# Allegro board ZDRK-36-DE3-A02-20190729.brd (continued)
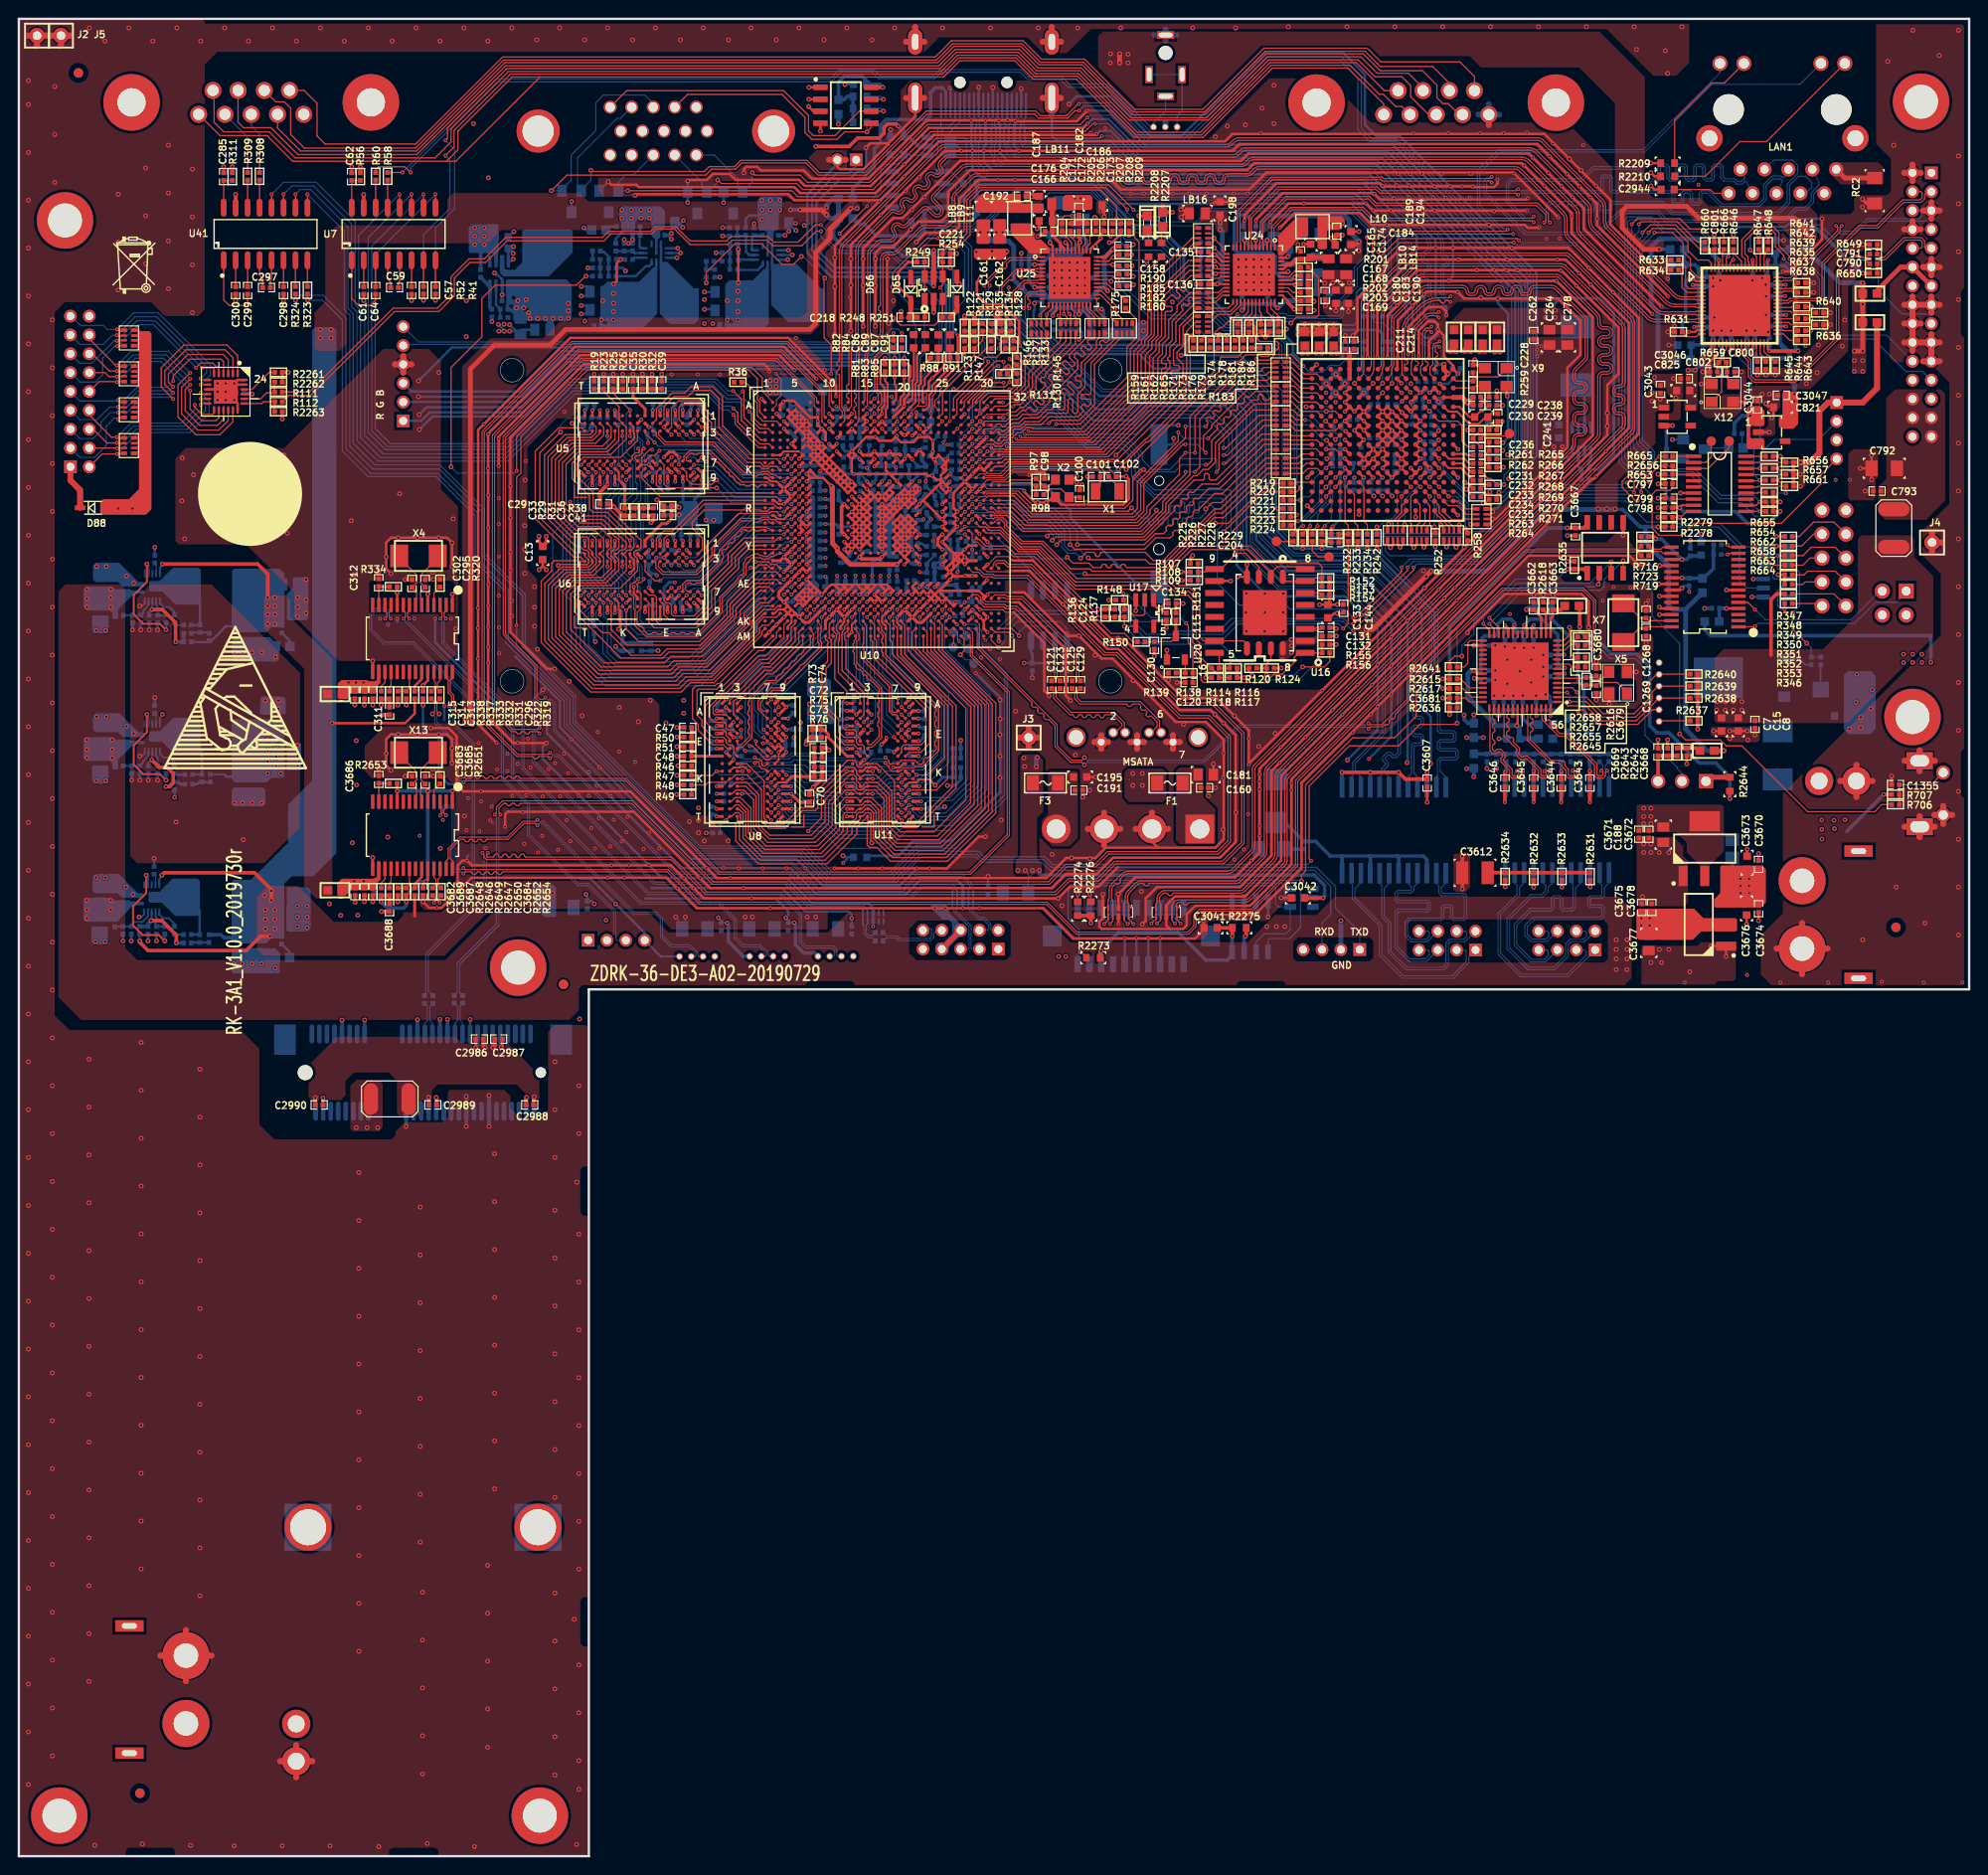
[diagram p0: board, top side]
## Copper pours and planes (outline as drawn; the poured copper is in the pictures) (continued)
+2.5V on L3-SIG: 171.45,98.53 170.56,99.42 170.56,115.67 169.54,116.69 156.08,116.69 155.32,115.93 155.32,114.66 155.19,114.53 153.92,114.53 153.54,114.91 153.54,119.99 153.67,120.12 171.2,120.12 172.97,118.34 174.88,118.34 175.64,117.58 175.64,99.8 174.37,98.53
+3.3V on TOP (solid shape): 185.42,104.75 185.42,101.19 184.91,100.69 180.09,100.69 179.96,100.81 179.96,101.57 180.59,102.21 180.59,105 180.72,105.13 185.04,105.13
+3.3V on BOTTOM: 183.9,106.53 184.91,105.51 184.91,102.34 184.15,101.57 178.69,101.57 177.55,102.72 177.55,110.34 180.47,113.26 181.99,113.26 182.12,113.13 182.12,111.99 181.99,111.86 180.85,111.86 180.34,111.35 180.34,106.65 180.47,106.53
AVDD33_SATA01 on BOTTOM (solid shape): 98.32,137.97 98.32,136.63 98.22,136.53 97.64,136.53 97.51,136.65 96.93,136.65 96.9,136.66 96.88,136.67 96.88,136.91 97.64,136.91 97.64,137.16 97.26,137.16 97.26,136.91 96.88,136.91 96.88,137.29 97,137.41 97.51,137.41 97.66,137.57 97.66,137.9 97.87,138.1 98.2,138.1
DVDD_CORE on BOTTOM (solid shape): 79.59,164.53 79.59,162.62 78.99,162.03 75.18,162.03 74.97,162.24 74.97,162.66 75.82,162.66 75.82,163.04 75.31,163.04 75.31,162.66 74.97,162.66 74.97,166.79 75.43,167.25 77.91,167.25 79.1,168.44 79.29,168.44 79.29,168.63 79.31,168.65 79.59,168.65
DVDD_CORE on BOTTOM (solid shape): 94.57,145.67 94.62,145.64 94.66,145.61 94.71,145.59 94.76,145.58 94.81,145.57 94.86,145.58 94.91,145.59 94.96,145.61 95.01,145.64 95.06,145.67 95.38,145.67 95.4,145.65 95.44,145.63 95.48,145.6 95.51,145.59 95.83,145.27 95.83,144.64 95.33,144.14 95.33,143.8 95.2,143.66 95.2,143.41 95.15,143.36 93.85,143.36 93.75,143.26 93.67,143.26 93.67,143.18 92.94,142.44 92.94,140.59 92.61,140.26 92.61,138.76 92.63,138.74 92.63,138.53 92.69,138.52 92.7,138.51 92.71,138.48 92.71,137.79 92.66,137.74 92.25,137.74 91.77,138.23 90.81,138.23 90.7,138.33 90.7,138.43 91.41,138.43 91.41,138.68 92.18,138.68 92.18,138.94 91.8,138.94 91.8,138.68 91.03,138.68 91.03,138.43 90.7,138.43 90.7,139.19 91.41,139.19 91.41,139.45 92.18,139.45 92.18,139.7 91.8,139.7 91.8,139.45 91.03,139.45 91.03,139.19 90.7,139.19 90.7,139.95 92.18,139.95 92.18,140.21 91.8,140.21 91.8,139.95 90.7,139.95 90.7,140.08 91.41,140.08 91.41,140.33 91.03,140.33 91.03,140.08 90.7,140.08 90.7,140.97 91.41,140.97 91.41,141.22 91.03,141.22 91.03,140.97 90.7,140.97 90.7,141.86 91.41,141.86 91.41,142.11 91.03,142.11 91.03,141.86 90.7,141.86 90.7,142.75 91.41,142.75 91.41,143 91.03,143 91.03,142.75 90.7,142.75 90.7,143.38 91.41,143.38 91.41,143.64 91.03,143.64 91.03,143.38 90.7,143.38 90.7,144.02 90.71,144.05 90.73,144.06 90.75,144.07 91.21,144.07 91.49,143.79 91.82,143.79 91.85,143.78 91.86,143.77 91.87,143.67 92.99,143.67 92.99,143.76 94.84,143.76 94.84,144.14 94.59,144.14 94.59,143.76 93.95,143.76 93.95,144.14 93.7,144.14 93.7,143.76 92.99,143.76 92.99,144.37 93.27,144.65 93.52,144.65 93.75,144.88 93.81,144.87 93.82,144.86 93.83,144.78 94.59,144.78 94.59,145.16 94.34,145.16 94.34,144.78 94.08,144.78 94.08,145.16 93.85,145.17 93.84,145.18 93.83,145.44 94.06,145.67
DVDD_CORE on L3-SIG: 80.9,158.34 81.38,157.86 81.38,150.75 84.81,147.32 84.81,139.32 85.89,138.24 96.3,138.24 97.26,139.19 97.26,140.97 95.22,143 95.22,148.59 92.94,150.88 92.94,155.83 87.99,160.78 87.99,164.34 84.58,167.74 74.93,167.74 74.68,167.49 74.68,160.78 77.11,158.34
DVDD_CPU on BOTTOM (solid shape): 67.76,163.69 65.83,161.77 61.72,161.77 61.59,161.9 61.59,162.53 62.48,162.53 62.48,162.92 61.98,162.92 61.98,162.53 61.59,162.53 61.59,163.32 61.72,163.45 61.72,166.37 62.45,167.1 65.85,167.1 67.4,168.64 67.48,168.64 67.48,168.73 67.53,168.77 67.76,168.77
DVDD_CPU on BOTTOM (solid shape): 84.3,156.41 84.3,151.56 84.86,151 84.86,150.24 85.01,150.09 85.29,150.09 85.45,149.94 85.45,148.82 85.52,148.74 85.52,148.21 85.47,148.16 83.45,148.16 83.15,148.46 85.19,148.46 85.19,148.84 84.94,148.84 84.94,148.46 84.3,148.46 84.3,148.84 84.05,148.84 84.05,148.46 83.79,148.46 83.79,148.84 83.54,148.84 83.54,148.46 83.15,148.46 83.02,148.59 83.02,148.97 85.06,148.97 85.06,149.22 84.68,149.22 84.68,148.97 83.02,148.97 83.02,149.48 85.06,149.48 85.06,149.73 84.68,149.73 84.68,149.48 83.02,149.48 83.02,150.11 84.56,150.11 84.56,150.37 84.18,150.37 84.18,150.11 83.02,150.11 83.02,150.62 84.56,150.62 84.56,150.88 84.18,150.88 84.18,150.62 83.02,150.62 83.02,150.74 82.75,151 83.41,151 83.41,151.26 83.16,151.26 83.16,151 82.75,151 82.37,151.38 83.16,151.38 83.16,151.64 82.91,151.64 82.91,151.38 82.37,151.38 82.12,151.64 82.78,151.64 82.78,151.76 83.82,151.76 83.82,152.02 83.46,152.02 83.46,151.76 82.78,151.76 82.78,151.89 82.52,151.89 82.52,151.64 82.12,151.64 81.74,152.02 82.52,152.02 82.52,152.27 82.27,152.27 82.27,152.02 81.74,152.02 81.66,152.1 81.66,152.53 82.4,152.53 82.4,152.78 82.02,152.78 82.02,152.53 81.66,152.53 81.66,152.96 83.82,152.96 83.82,153.24 83.46,153.24 83.46,152.96 81.66,152.96 81.66,153.03 82.4,153.03 82.4,153.29 82.02,153.29 82.02,153.03 81.66,153.03 81.66,153.54 82.4,153.54 82.4,153.64 83.82,153.64 83.82,153.87 83.46,153.87 83.46,153.64 82.4,153.64 82.4,153.8 82.02,153.8 82.02,153.54 81.66,153.54 81.66,154.05 82.4,154.05 82.4,154.31 82.02,154.31 82.02,154.05 81.66,154.05 81.66,154.43 81.13,154.97 79.58,154.97 79.22,155.32 79.22,156.59 79.6,156.97 83.74,156.97
DVDD_CPU on L3-SIG: 71.44,158.28 77.47,152.25 79.25,152.25 80.87,153.87 80.87,157.61 80.37,158.12 76.68,158.12 67.18,167.61 61.34,167.61 60.96,167.23 60.96,161.67 64.35,158.28
GND on TOP (solid shape): 105.11,170.43 105.11,170.18 104.34,169.42 101.68,169.42 101.37,169.72 101.37,170.43 101.52,170.59 104.95,170.59
GND on TOP (solid shape): 108.71,176.48 108.71,175.95 108.64,175.87 106.76,175.87 106.65,175.97 106.65,176.45 106.71,176.5 108.69,176.5
GND on BOTTOM (solid shape): 9.46,98.53 9.46,96.88 9.33,96.75 7.93,96.75 7.68,97 7.68,98.53 7.81,98.65 9.33,98.65
GND on BOTTOM (solid shape): 9.52,131.55 9.52,129.9 9.4,129.77 8,129.77 7.75,130.02 7.75,131.55 7.87,131.67 9.4,131.67
GND on BOTTOM (solid shape): 9.52,115.6 9.52,113.94 9.4,113.82 8,113.82 7.75,114.07 7.75,115.6 7.87,115.72 9.4,115.72
GND on BOTTOM (solid shape): 26.16,113.18 26.16,111.66 25.91,111.4 22.86,111.4 22.61,111.66 22.61,113.18 22.86,113.44 25.91,113.44
GND on BOTTOM (solid shape): 28.32,122.83 28.32,121.31 28.19,121.18 25.78,121.18 25.65,121.31 25.65,122.96 25.78,123.09 28.07,123.09
GND on BOTTOM (solid shape): 29.97,118.01 29.97,115.34 29.85,115.21 28.58,115.21 28.45,115.34 28.45,118.01 28.58,118.14 29.85,118.14
GND on BOTTOM (solid shape): 74.71,143.57 74.71,141.66 74.46,141.41 73.06,141.41 72.81,141.66 72.81,143.57 72.94,143.69 74.59,143.69
GND on BOTTOM (solid shape): 86.21,124.71 86.21,123.19 85.95,122.94 83.96,122.94 83.67,123.23 83.67,124.69 83.95,124.97 85.95,124.97
GND on BOTTOM (solid shape): 197.08,125.3 197.08,119.66 196.49,119.08 194.18,119.08 193.73,119.53 193.73,125.37 194.11,125.76 196.62,125.76
GND on BOTTOM (solid shape): 27.69,95.86 27.69,93.83 27.56,93.7 22.73,93.7 22.57,93.86 22.57,96.11 22.83,96.37 27.18,96.37
GND on BOTTOM (solid shape): 30.73,135.61 30.73,131.42 30.48,131.17 28.58,131.17 28.45,131.29 28.45,133.96 29.08,134.59 29.08,135.61 29.21,135.74 30.61,135.74
GND on BOTTOM (solid shape): 30.99,102.46 30.99,98.4 30.73,98.15 28.54,98.15 28.41,98.27 28.41,100.94 28.43,100.96 28.43,102.7 28.58,102.84 30.61,102.84
GND on BOTTOM (solid shape): 12.63,102.21 13.14,102.21 13.27,102.08 13.27,101.7 10.98,101.7 10.47,102.21 8.06,102.21 7.81,102.46 7.81,103.99 8.06,104.24 10.6,104.24
GND on BOTTOM (solid shape): 12.7,135.23 13.21,135.23 13.34,135.1 13.34,134.72 11.05,134.72 10.54,135.23 8.13,135.23 7.87,135.48 7.87,137.01 8.13,137.26 10.67,137.26
GND on BOTTOM (solid shape): 12.7,119.28 13.21,119.28 13.34,119.15 13.34,118.77 11.05,118.77 10.54,119.28 8.13,119.28 7.87,119.53 7.87,121.06 8.13,121.31 10.67,121.31
GND on BOTTOM (solid shape): 25.93,129.36 26.67,129.36 27.1,128.93 27.46,128.93 27.61,128.78 27.61,127 27.41,126.8 22.81,126.8 22.61,127 22.61,129.13 22.86,129.39 25.91,129.39
GND on BOTTOM (solid shape): 98.76,100.61 98.76,100.1 100.51,98.35 100.51,98.04 100.03,97.56 99.82,97.56 98.7,96.44 98.7,96.01 98.32,95.63 97.61,95.63 97.31,95.94 97.31,96.72 97.56,96.98 98.15,96.98 99.09,97.92 99.09,99.01 98.7,99.39 98.02,99.39 96.8,100.61 96.8,100.99 96.9,101.09 98.27,101.09
GND on BOTTOM (solid shape): 94.84,142.11 94.84,140.59 95.02,140.41 95.02,139.98 94.92,139.88 94.92,138.91 95.02,138.81 95.02,138.56 94.92,138.46 93.27,138.46 92.91,138.81 92.91,138.94 94.46,138.94 94.46,139.19 94.08,139.19 94.08,138.94 93.45,138.94 93.45,139.19 93.07,139.19 93.07,138.94 92.91,138.94 92.91,139.45 94.46,139.45 94.46,139.7 94.08,139.7 94.08,139.45 93.45,139.45 93.45,139.7 93.07,139.7 93.07,139.45 92.91,139.45 92.91,140.08 93.45,140.61 93.45,142.11 93.7,142.37 94.59,142.37
GND on TOP: 116.71,97.26 116.54,97.43 116.54,106.91 116.99,107.37 116.99,113.36 116.56,113.79 116.56,117.5 122.86,123.8 138.28,123.8 153.67,139.19 154,139.19 154.53,139.73 154.53,140.23 155.19,140.89 155.63,140.89 156.18,141.45 156.18,142.85 156.59,143.26 157.45,143.26 159.56,145.36 159.56,158.95 160.3,159.69 164.9,159.69 165.07,159.87 165.07,160.93 164.9,161.11 164.9,161.24 165.46,161.24 165.61,161.39 165.61,162.79 163.45,164.95 152.65,164.95 151.51,163.8 151.51,159.23 151.13,158.85 142.75,158.85 142.24,159.36 142.24,160.63 141.73,161.14 140.59,161.14 140.46,161.26 140.46,163.04 140.21,163.3 139.06,163.3 138.43,163.93 138.43,164.95 138.56,165.07 141.6,165.07 143.89,167.36 143.89,172.31 141.99,174.22 135.64,174.22 133.86,172.44 129.79,172.44 129.03,173.2 129.03,175.11 128.91,175.23 126.62,175.23 126.11,175.74 117.47,175.74 115.57,177.65 101.98,177.65 100.08,175.74 100.08,172.82 98.93,171.68 96.01,171.68 92.71,168.38 92.71,165.84 93.09,165.46 93.09,164.57 92.71,164.19 92.71,161.52 91.95,160.76 86.36,160.76 85.6,161.52 85.6,170.28 89.53,174.22 89.53,175.62 89.41,175.74 81.91,175.74 81.53,176.12 62.1,176.12 61.47,176.76 61.47,178.41 61.85,178.79 72.64,178.79 73.41,179.55 76.2,179.55 76.71,180.06 83.64,180.06 85.67,182.09 90.96,182.09 93.6,184.73 93.6,187.43 94.62,188.44 111.25,188.44 117.47,182.22 126.24,182.22 132.72,188.7 138.81,188.7 143.51,184 164.34,184 169.16,179.17 169.16,173.2 172.72,169.65 175.01,169.65 175.26,169.39 175.26,163.42 175.9,162.79 175.9,158.34 175.26,157.71 172.97,157.71 172.09,156.82 172.09,150.85 163.83,142.6 163.83,139.73 164.11,139.45 168.5,139.45 169.52,140.46 170.64,140.46 170.79,140.31 170.79,139.67 172.8,137.67 172.8,137.01 172.26,136.47 171.73,136.47 170.33,137.87 163.73,137.87 163.09,137.24 163.09,136.25 164.06,135.28 168.63,135.28 168.96,134.95 168.96,134.87 168.22,134.14 168.22,130.15 168.25,130.12 166.4,130.12 166.24,130.28 166.24,133.32 166.12,133.45 163.32,133.45 163.32,132.94 163.25,132.87 157.02,132.87 148.16,124 148.16,122.15 145.14,119.13 141.68,119.13 136.42,113.87 136.42,104.67 134.54,102.79 134.54,101.42 132.38,99.26 126.37,99.26 126.19,99.09 126.19,97.87 125.58,97.26 ; 5 cut-outs
GND on TOP: 77.5,104.8 77.39,104.9 74.7,104.9 72.77,106.83 72.77,106.98 64.34,115.42 61.9,115.42 57.96,119.35 49.28,119.35 48.59,120.04 48.59,151.43 58.45,161.29 82.65,161.29 85.57,158.37 85.57,157.81 87.05,156.34 87.05,154.91 86.89,154.76 86.61,154.76 86.28,155.09 86.28,155.88 85.29,156.87 85.04,156.87 84.66,156.49 84.12,156.49 82.96,157.66 82.47,157.66 81.76,156.95 60.48,156.95 59.77,156.24 59.77,153.77 58.6,152.6 57.07,152.6 53.98,149.5 53.98,136.58 55.02,135.53 55.02,128.24 60.33,122.94 67.28,122.94 68,122.22 68,113.84 71.37,110.46 73,110.46 75.46,108 75.46,107.52 78.13,104.85 78.08,104.8
GND on TOP: 106.65,138 108.33,138 116.74,129.59 117.47,129.59 121.31,125.76 122.12,125.76 122.2,125.68 122.2,125.3 122.33,125.17 122.86,125.17 123.34,124.69 123.34,123.75 123.65,123.44 120.42,120.22 119.51,120.22 117.14,117.86 117.14,111.38 117.7,110.82 117.53,110.64 116.56,110.64 113.89,113.31 113.89,116.97 104.67,126.19 104.67,137.36 105.38,138.07 106.58,138.07 ; 1 cut-out
GND on TOP: 195.4,176.23 197.76,176.23 197.87,176.12 197.87,174.83 197.64,174.6 195.38,174.6 195.2,174.78 195.2,176.02
GND on TOP: 186.03,92.43 184.89,93.57 184.89,97.71 187.22,100.05 187.22,112.8 203.99,129.57 203.99,136.12 202.06,138.05 202.06,140.69 204.9,143.54 204.9,156.41 202.77,158.55 199.09,158.55 198.58,159.05 198.58,169.55 196.57,171.55 194.16,171.55 191.54,168.94 191.54,165.91 191.16,165.53 189.69,165.53 189.46,165.76 189.46,167.39 189.05,167.79 187.2,167.79 186.92,168.07 186.92,174.27 194.39,174.27 194.79,174.68 194.79,175.87 195.2,176.28 198.27,176.28 198.7,176.71 198.7,180.14 197.13,181.71 197.13,194.44 206.25,194.44 206.48,194.21 206.48,92.71 206.2,92.43 ; 1 cut-out
GND on TOP: 173.53,157.33 176.4,157.33 176.66,157.07 176.66,154.79 176.4,154.53 176.4,152.63 176.15,152.37 174.12,152.37 174.07,152.43 174.07,153.09 174.12,153.14 175.39,153.14 175.64,153.39 175.64,154.53 174.88,155.3 174.88,155.68 174.75,155.8 173.86,155.8 173.38,156.29 173.38,157.18
GND on TOP: 181.61,118.21 180.98,118.85 179.71,118.85 179.58,118.97 179.58,119.74 179.71,119.86 184.53,119.86 184.78,119.61 184.78,118.47 184.53,118.21
GND on TOP: 160.2,161.24 164.92,161.24 165.2,160.96 165.2,159.28 164.95,159.03 160.12,159.03 159.99,159.16 159.99,161.04
GND on TOP: 62.48,115.93 64.01,115.93 74.93,105 98.43,105 104.01,110.59 104.01,122.66 100.97,125.7 100.97,128.88 102.36,128.88 102.16,129.08 105.03,129.08 105.97,128.14 105.97,125.32 105.94,125.3 114.94,116.31 114.94,113 117.22,110.72 117.22,97 112.01,97 108.46,100.56 71.88,100.56 68.71,103.73 48.26,103.73 44.83,100.3 43.18,100.3 42.55,100.94 42.55,102.21 45.59,102.21 46.36,102.97 46.36,113.51 45.47,114.4 37.47,114.4 36.7,115.16 36.7,117.83 39.12,120.24 58.17,120.24 ; 8 cut-outs
GND on TOP: 184.4,157.96 188.09,157.96 191.39,161.26 191.39,164.31 192.02,164.95 192.02,169.27 194.64,171.88 195.76,171.88 196.09,171.55 196.09,170.79 195.58,170.28 194.44,170.28 192.79,168.63 192.79,161.37 188.37,156.95 184.53,156.95 184.28,157.2 184.28,157.84
GND on TOP: 184.15,150.72 184.02,150.85 184.02,151.36 184.15,151.49 185.29,151.49 185.67,151.87 185.67,153.52 185.04,154.15 184.02,154.15 183.77,154.41 183.77,155.68 184.15,156.06 188.59,156.06 193.42,160.88 193.42,168 194.69,169.27 195.2,169.27 195.71,168.76 195.71,168.12 194.18,166.6 194.18,159.74 190.12,155.68 187.33,155.68 186.94,155.3 186.94,153.77 186.44,153.26 186.44,150.98 186.18,150.72
GND on TOP: 126.44,176.35 128.52,176.35 128.65,176.23 128.65,175.29 128.57,175.21 126.47,175.21 126.24,175.44 126.24,176.15
GND on TOP: 105.92,147.04 108.99,147.04 109.17,146.86 109.17,146 109.14,145.97 108.71,145.97 108.66,146.02 108.66,146.46 108.48,146.63 107.59,146.63 107.42,146.46 106.07,146.46 105.74,146.79 105.74,146.86
GND on TOP: 44.81,158.65 44.81,145.06 46.61,143.26 46.61,127.76 45.69,126.85 33.96,126.85 29.18,131.62 29.18,134.14 24.1,139.22 16.97,139.22 16.61,139.57 16.61,148.34 17.73,149.45 28.17,149.45 38.68,159.97 43.48,159.97 ; 6 cut-outs
GND on TOP: 194.69,149.33 197.1,149.33 197.36,149.07 197.36,146.41 197.05,146.1 197.05,144.14 196.8,143.89 194.41,143.89 194.18,144.12 194.18,148.82 ; 2 cut-outs
GND on TOP: 173.48,108.31 173.61,108.18 175.64,108.18 176.66,107.16 176.66,106.15 177.17,105.64 177.17,101.19 176.78,100.81 171.96,100.81 171.7,101.07 171.7,108.18 171.83,108.31
GND on TOP: 179.07,152.63 178.31,153.39 178.31,159.11 178.94,159.74 180.34,159.74 180.34,159.11 179.58,158.34 179.58,157.33 179.71,157.2 179.83,157.2 180.34,156.69 180.34,155.55 180.72,155.17 182.5,155.17 182.63,155.3 182.63,156.95 182.5,157.07 182.5,157.84 183.39,157.84 183.39,153.9 182.12,152.63
GND on TOP: 114.58,175.77 115.42,175.77 115.54,175.64 115.54,173.74 115.49,173.69 115.04,173.69 114.35,174.37 114.35,175.54
GND on TOP: 13.97,134.98 20.45,134.98 29.85,125.58 29.85,109.19 26.04,105.38 12.57,105.38 11.81,106.15 11.81,132.82
GND on TOP: 0.1,194.89 0.1,0.18 0.2,0.08 60.48,0.08 60.5,0.1 60.5,87.83 60.12,88.21 56.9,88.21 56.16,87.48 56.16,79.17 55.35,78.36 53.24,78.36 52.17,79.43 52.17,80.67 51.51,81.33 45.75,81.33 45.54,81.13 45.54,78.49 44.96,77.9 40.97,77.9 39.98,76.91 39.98,76.5 39.55,76.07 27.1,76.07 25.53,77.65 25.53,85.7 23.55,87.68 5.36,87.68 3.81,89.23 3.81,163.86 4.88,164.92 14.02,164.92 15.49,163.45 19.05,163.45 19.74,164.13 19.74,194.67 19.46,194.94 0.15,194.94
GND on TOP: 167.13,123.67 167.13,122.66 168.02,121.77 171.7,121.77 172.34,122.4 172.34,126.77 173.48,127.91 173.48,129.39 173.1,129.77 172.59,129.77 172.21,129.39 172.21,128.14 171.73,127.66 168.53,127.66 168.53,134.06 168.81,134.34 171.83,134.34 172.09,134.09 172.09,132.31 172.47,131.93 173.35,131.93 173.48,132.05 173.48,133.96 172.47,134.98 168.78,134.98 167.89,134.09 167.89,127.86 167,126.97 167,125.96 167.13,125.83 167.77,125.83 167.77,126.47 168.02,126.72 169.93,126.72 170.05,126.59 170.05,125.07 170.18,124.94 171.45,124.94 171.7,124.69 171.7,122.66 171.45,122.4 169.67,122.4 169.42,122.66 169.42,124.05 169.29,124.18 168.4,124.18 167.89,123.67
GND on TOP: 17.65,194.92 177.04,194.92 177.29,194.67 177.29,190.35 175.9,188.95 173.48,188.95 168.53,193.9 113.79,193.9 111.25,191.36 108.71,191.36 107.06,193.01 97.66,193.01 96.14,191.49 21.08,191.49 18.67,189.08 17.27,189.08 16,190.35 16,193.27
GND on TOP: 152.53,106.53 153.8,106.53 154.05,106.27 154.05,102.84 153.54,102.34 152.53,102.34 152.27,102.59 152.27,106.27
GND on TOP: 182.12,97 182.25,96.88 182.25,93.14 181.41,92.3 172.36,92.3 172.21,92.46 172.21,96.37 172.47,96.62 178.18,96.62 178.56,97
GND on BOTTOM: 95.55,154.41 95.3,154.66 95.3,155.24 95.91,155.24 97.21,156.54 97.16,156.59 96.9,156.59 96.62,156.87 96.62,156.95 98.09,158.42 98.09,166.55 97.43,167.21 93.9,167.21 92.86,166.17 86.49,166.17 85.95,166.7 85.95,167.54 83.08,170.41 83.08,173.66 83.54,174.12 83.54,176.89 85.55,178.89 85.55,180.59 86.66,181.71 89.92,181.71 90.14,181.48 90.14,179.15 88.72,177.72 87.25,177.72 84.89,175.36 84.89,171.2 86.21,169.88 92.33,169.88 93.09,169.11 99.01,169.11 99.57,168.55 99.57,162.31 100.08,161.8 100.08,158.14 97.28,155.35 97.28,154.69 97,154.41
GND on BOTTOM: 69.09,174.12 70.76,174.12 70.94,173.94 70.94,169.42 70.61,169.09 69.72,169.09 69.34,169.47 69.34,171.04 68.96,171.42 68.96,173.99
GND on BOTTOM: 138.73,166.47 139.83,166.47 139.98,166.32 139.98,163.88 139.88,163.78 138.58,163.78 138.38,163.98 138.38,164.87 138.66,165.15 138.66,166.4
GND on BOTTOM: 131.7,115.65 135.15,115.65 135.28,115.52 135.28,112.95 135,112.67 131.62,112.67 131.37,112.93 131.37,115.32
GND on BOTTOM: 72.64,166.85 74.42,166.85 74.68,166.6 74.68,162.28 74.42,162.03 72.52,162.03 72.39,162.15 72.39,166.6 ; 1 cut-out
GND on BOTTOM: 117.09,97.64 121.28,97.64 121.54,97.38 121.54,93.57 121.41,93.45 117.22,93.45 116.97,93.7 116.97,97.51
GND on BOTTOM: 161.67,150.98 163.96,150.98 164.08,150.85 166.24,150.85 166.62,151.23 166.62,152.25 167.64,152.25 167.64,150.85 166.5,149.71 166.5,148.44 166.37,148.31 166.12,148.31 165.99,148.44 165.99,149.83 165.86,149.96 164.59,149.96 163.83,149.2 161.8,149.2 161.54,149.45 161.54,150.85
GND on BOTTOM: 111.43,174.83 114.86,174.83 116.56,173.13 116.56,171.3 116.15,170.89 112.98,170.89 110.95,172.92 110.95,174.35
GND on BOTTOM: 11.3,194.67 177.67,194.67 178.05,194.28 178.05,192.89 177.55,192.38 45.97,192.38 43.05,189.46 19.69,189.46 17.53,187.3 17.53,182.35 16.38,181.2 9.4,181.2 7.49,183.11 7.49,190.86
GND on BOTTOM: 51.61,163.6 51.61,163.04 51.36,162.79 50.83,162.79 50.47,163.14 50.47,163.37 50.27,163.58 49.61,163.58 48.59,162.56 48.59,161.32 48.84,161.06 55.12,161.06 55.3,161.24 55.3,162.56 55.19,162.66 53.92,162.66 53.75,162.48 52.53,162.48 52.17,162.84 52.17,163.58 52.12,163.63 51.64,163.63 ; 1 cut-out
GND on BOTTOM: 147.57,156.06 147.32,156.31 147.32,160.63 144.27,163.68 144.27,171.81 141.48,174.6 123.27,174.6 122.73,174.07 120.07,174.07 119.53,174.6 116.21,174.6 113.54,177.27 102.23,177.27 100.46,179.04 100.46,184 100.97,184.51 101.22,184.51 101.47,184.25 103.38,184.25 103.63,184.51 104.39,184.51 105.03,183.87 105.16,183.87 105.66,184.38 106.17,184.38 106.55,184 107.06,184 107.57,184.51 107.57,186.03 107.44,186.16 107.44,188.32 107.57,188.44 110.74,188.44 110.87,188.32 117.86,188.32 118.87,189.33 118.87,191.87 118.24,192.51 118.24,192.63 126.49,192.63 127.25,193.4 177.93,193.4 178.05,193.27 178.05,189.59 176.66,188.19 173.74,188.19 170.56,185.01 170.56,181.66 170.13,181.23 157.25,181.23 154.53,178.51 154.53,174.98 159.04,170.47 165.29,170.47 169.44,166.32 169.44,165.89 169.32,165.76 162.99,165.76 161.54,164.31 161.54,161.11 161.75,160.91 161.75,158.98 161.26,158.5 161.26,146.43 156.36,141.53 155.96,141.53 155.8,141.68 155.8,144.83 156.67,145.69 156.67,154.05 157.58,154.97 157.58,160.63 153.54,160.63 152.91,159.99 152.91,159.11 153.16,158.85 153.16,156.82 152.4,156.06 ; 7 cut-outs
GND on BOTTOM: 86.87,164.19 94.11,164.19 95.12,163.17 95.12,157.33 94.11,156.31 88.9,156.31 87.38,154.79 85.09,154.79 84.96,154.91 84.96,156.31 83.82,157.45 68.96,157.45 68.58,157.07 58.29,157.07 51.82,150.6 40.01,150.6 38.53,152.07 38.53,163.53 40.36,165.35 48.23,165.35 49.63,163.96 49.63,162.51 50.62,161.52 48.9,161.52 49.28,161.14 53.98,161.14 54.1,161.26 85.47,161.26 86.49,162.28 86.49,163.8
GND on BOTTOM: 140.89,115.62 140.08,116.43 131.57,116.43 129.16,114.02 112.14,114.02 111.51,114.66 111.51,116.94 112.01,117.45 113.03,117.45 114.55,118.97 115.32,118.97 115.7,118.59 125.98,118.59 128.27,120.88 138.28,120.88 143.87,126.47 143.87,130.18 141,133.05 130.43,133.05 128.17,135.31 128.17,138.71 128.93,139.47 128.93,151.97 127.38,153.52 119.81,153.52 118.39,152.1 112.27,152.1 101.22,163.14 101.22,167.77 101.4,167.77 101.63,168 104.37,168 106.86,165.51 107.92,165.51 108.05,165.38 108.05,163.32 110.77,160.6 119.99,160.6 120.9,161.52 124.66,161.52 126.37,159.82 129.97,159.82 134.01,155.78 134.01,140.97 135.66,139.32 144.7,139.32 144.7,138.25 147.78,135.18 147.93,135.18 148.69,134.42 148.77,134.42 148.79,134.44 148.79,134.57 149.15,134.92 149.17,134.92 151.64,132.46 151.64,122.73 151.26,122.35 150.24,122.35 150.09,122.2 150.09,121.89 150.55,121.44 150.55,119.58 150.32,119.35 150.32,115.62 ; 1 cut-out
GND on BOTTOM: 81.25,173.99 82.5,173.99 82.68,173.81 82.68,169.7 82.14,169.16 81.46,169.16 81.41,169.21 81.41,171.55 81.18,171.78 81.18,173.91
GND on BOTTOM: 130.91,105.99 130.73,106.17 130.73,109.47 130.86,109.6 131.8,109.6 131.93,109.47 131.93,108.1 132.31,107.72 132.31,106.15 132.16,105.99
GND on BOTTOM: 59.56,166.98 60.96,166.98 61.34,166.6 61.34,161.9 61.21,161.77 59.56,161.77 59.31,162.03 59.31,166.73 ; 1 cut-out
GND on BOTTOM: 0.51,-0.03 0.51,194.54 1.02,195.05 14.86,195.05 15.75,194.16 15.75,185.39 19.56,181.58 19.56,163.42 16.64,163.42 15.37,164.69 10.29,164.69 8.51,166.47 4.57,166.47 4.32,166.22 4.32,145.26 5.46,144.12 5.46,93.95 8.26,91.16 32.64,91.16 39.75,98.27 51.94,98.27 55.42,94.79 54.56,94.79 52.91,93.14 52.91,92.74 54.03,91.62 53.9,91.62 53.52,91.24 58.98,91.24 60.45,89.76 60.45,0.61 59.82,-0.03 ; 2 cut-outs
GND on BOTTOM: 157.2,128.65 161.47,128.65 162,128.12 162,124.1 162.41,123.7 162.41,123.24 162.15,122.99 156.44,122.99 156.18,123.24 156.18,123.98 156.49,124.28 156.49,128.6 156.67,128.78 157.07,128.78
GND on BOTTOM: 33.63,88.39 32.13,89.89 32.13,101.98 32.39,102.23 36.78,102.23 38.99,100.03 41.88,100.03 44.02,102.16 44.02,111.96 44.32,112.27 46.2,112.27 46.53,112.6 46.53,113.26 46.15,113.64 39.55,113.64 39.12,113.21 39.12,112.29 41.4,110.01 41.4,105.71 40.77,105.08 35.18,105.08 34.65,105.61 34.65,119.53 35.23,120.12 41.48,120.12 42.06,120.7 42.06,122.2 43.43,123.57 43.43,124.59 42.42,125.6 37.92,125.6 36.37,127.15 36.37,132.11 37.13,132.87 46.25,132.87 46.58,133.2 46.58,134.85 46.3,135.13 35.28,135.13 34.7,135.71 34.7,142.93 37.03,145.26 54.84,145.26 56.11,143.99 56.11,127.71 60.68,123.14 70.84,123.14 71.65,122.33 71.65,109.22 72.92,107.95 84.51,107.95 85.78,106.68 102.21,106.68 103.68,105.21 103.68,103.63 103.45,103.4 102.49,103.4 102.26,103.17 102.26,100.46 101.09,99.29 101.09,98.32 90.6,98.32 90.42,98.5 88.49,98.5 88.16,98.83 88.16,99.47 87.66,99.97 83.77,99.97 82.63,98.83 81.64,98.83 81.41,99.06 81.41,99.31 80.9,99.82 79.38,99.82 78.74,100.46 76.94,100.46 72.97,96.49 72.97,95.12 72.72,94.87 62.56,94.87 61.67,95.76 61.67,99.97 60.53,101.12 60.1,101.12 60.02,101.19 60.02,101.73 59.61,102.13 57.79,102.13 57.58,102.34 57.58,102.9 56.95,103.53 54.41,103.53 53.64,104.29 53.64,106.88 53.29,107.24 53.29,111.25 50.47,114.07 50.47,119.02 48.06,121.44 47.12,121.44 46.99,121.31 46.99,120.47 49.1,118.36 49.1,113.28 52.5,109.88 52.5,97.69 52.43,97.61 52.12,97.61 51.98,97.75 48.41,94.18 48.41,88.62 48.18,88.39 ; 3 cut-outs
GND on BOTTOM: 173.18,92.51 171.07,94.61 171.07,106.86 172.31,108.1 176.05,108.1 176.66,107.49 176.66,103.99 176.63,103.96 176.63,102.36 178.31,100.69 196.11,100.69 198.35,102.92 198.35,124.13 198.83,124.61 203.1,124.61 205.28,126.8 205.28,142.16 204.57,142.88 204.57,179.73 203.66,180.64 199.06,180.64 199.03,180.62 198.22,180.62 197.13,181.71 197.13,194.18 197.43,194.49 206.5,194.49 206.5,92.53 206.48,92.51
GND on GND02: 0.13,0.13 0.13,194.87 206.88,194.87 206.88,92.13 60.38,92.13 60.38,0.13 ; 14 cut-outs
GND on L3-SIG: 97.49,95.61 97.28,95.81 97.28,96.6 97.66,96.98 98.09,96.98 98.91,97.79 98.91,98.81 98.32,99.39 97.59,99.39 96.85,100.13 96.85,100.97 96.95,101.07 98.68,101.07 98.93,100.81 98.93,100.08 100.53,98.48 100.53,97.92 98.22,95.61
GND_EARTH on TOP: 192.46,179.78 197.36,179.78 197.94,179.2 197.94,177.55 197.82,177.42 193.4,177.42 192.13,178.69 192.13,179.45
VCC_5V_SATA1 on TOP: 109.22,114.91 109.22,110.59 108.59,109.96 108.59,108.31 109.73,107.16 111.51,107.16 112.4,108.05 112.4,115.04 112.27,115.16 109.47,115.16 ; 2 cut-outs
VCC_12V_SATA1 on TOP: 122.81,115.16 122.81,107.8 123.19,107.42 126.87,107.42 127,107.54 127,111.1 125.73,112.37 125.73,115.42 125.6,115.54 123.19,115.54 ; 2 cut-outs
VCC_BACKLIGHT on TOP: 199.14,155.68 203.96,155.68 204.47,155.17 204.47,143.87 202.44,141.83 198.12,141.83 197.36,142.6 197.36,145.34 198.2,146.18 198.2,154.74 ; 2 cut-outs
VDDVARIO on L3-SIG: 172.97,118.85 171.32,120.5 151.89,120.5 151.51,120.88 151.51,125.96 156.34,130.78 162.43,130.78 168.66,124.56 178.18,124.56 178.82,123.93 178.82,119.23 178.44,118.85
(no net) on TOP: 109.42,170.1 109.42,170.66 107.52,172.57 107.52,173.15 107.39,173.28 105.56,173.28 105.44,173.15 105.44,172.03 107.39,170.08 109.4,170.08
(no net) on TOP: 133.68,169.95 134.24,169.95 136.14,171.86 136.73,171.86 136.86,171.98 136.86,173.81 136.73,173.94 135.61,173.94 133.65,171.98 133.65,169.98
(no net) on BOTTOM: 79.54,171.49 79.34,171.7 79.34,172.36 79.18,172.51 78.7,172.51 78.42,172.79 78.42,175.81 78.74,176.12 80.9,176.12 81.03,176 81.03,174.6 80.65,174.22 80.65,172.69 80.54,172.58 80.4,172.58 80.1,172.28 80.1,171.59 80,171.49
(no net) on BOTTOM: 85.6,165.94 85.6,163.17 85.23,162.81 81.67,162.81 79.84,164.63 79.84,169 82.54,169
(no net) on BOTTOM: 58.57,172.65 53.64,172.65 53.41,172.42 53.41,169.12 52.68,168.38 51.74,168.38 51.51,168.61 51.51,169.85 51.53,169.88 51.48,169.93 51.13,169.93 51.1,169.9 51.1,167.82 51.25,167.67 56.26,167.67 58.8,170.21 58.8,172.42
(no net) on BOTTOM: 67.76,168.77 67.76,163.69 65.83,161.77 61.72,161.77 61.59,161.9 61.59,163.32 61.72,163.45 61.72,166.37 62.45,167.1 65.85,167.1 67.53,168.77 ; 1 cut-out
(no net) on BOTTOM: 68.06,169.21 68.06,168.75 68.04,168.72 68.04,163.69 69.13,162.6 71.72,162.6 72.07,162.96 72.07,165.96 68.82,169.21
(no net) on BOTTOM: 49.7,170.11 49.65,170.15 47.88,170.15 47.75,170.28 47.75,172.82 48.13,173.2 50.8,173.2 50.92,173.08 50.92,170.16 50.87,170.11
(no net) on BOTTOM: 67.5,171.62 67.15,171.98 67.15,173.42 66.89,173.68 65.62,173.68 65.42,173.47 65.42,172.64 65.32,172.53 64.05,172.53 63.97,172.61 63.97,173.37 63.75,173.59 63.75,174.85 64.01,175.11 68.07,175.11 68.58,174.6 68.58,173.99 68.57,173.98 68.57,172.74 68.09,172.25 68.09,171.8 67.91,171.62
(no net) on BOTTOM: 79.59,168.65 79.59,162.62 78.99,162.03 75.18,162.03 74.97,162.24 74.97,166.79 75.43,167.25 77.91,167.25 79.31,168.65 ; 1 cut-out
(no net) on BOTTOM: 51.79,167.34 58.11,167.34 58.7,166.75 58.7,163.25 58.39,162.94 52.57,162.94 52.47,163.04 52.47,163.65 52.19,163.93 51.71,163.93 51.63,164.01 51.63,167.18 ; 3 cut-outs
GE0_1V05_PHY on TOP (solid shape): 140.72,173.71 140.72,173.2 140.16,172.64 140.16,172.62 140.13,172.59 138.94,172.59 138.84,172.49 138.84,170.66 138.73,170.56 137.95,170.56 137.85,170.66 137.85,173.94 137.97,174.07 140.36,174.07
GE0_1V05_PHY on BOTTOM: 137.29,171.17 137.29,173.38 137.59,173.69 140.46,173.69 140.84,173.3 140.84,172.82 140.72,172.69 139.32,172.69 138.81,172.19 138.81,171.17 138.8,171.16 138.8,169.43 138.56,169.19 137.16,169.19 137.06,169.29 137.06,170.94
GE0_1V05A_PHY on BOTTOM: 133.99,171.22 133.45,171.75 133.45,172.8 133.86,173.2 136.73,173.2 136.88,173.05 136.88,171.53 136.86,171.5 135.38,171.5 135.1,171.22
GE0_3V3A_PHY on TOP: 141.02,171.6 142.49,171.6 142.6,171.5 142.6,169.44 142.16,169.01 140.23,169.01 140.16,169.09 140.16,169.93 140.87,170.64 140.87,171.45
GE0_3V3D_PHY on TOP: 125.48,175.01 126.44,175.01 126.75,174.7 128.14,174.7 128.35,174.5 128.35,172.42 128.22,172.29 127.33,172.29 127,172.62 127,173.05 126.62,173.43 125.48,173.43 125.35,173.56 125.35,174.88
GE1_1V05_PHY on TOP (solid shape): 106.35,176.38 106.35,175.56 106.5,175.41 108.66,175.41 108.79,175.29 108.79,174.55 108.66,174.42 101.63,174.42 101.52,174.52 101.52,175.74 102.21,176.43 106.3,176.43
GE1_1V05A_PHY on TOP (solid shape): 104.8,173.66 104.8,171.22 104.7,171.12 103.53,171.12 103.43,171.22 103.43,173.69 103.48,173.74 104.72,173.74
GE1_1V05D_PHY on TOP (solid shape): 103.1,173.66 103.1,171.22 103,171.12 101.78,171.12 101.65,171.25 101.65,173.61 101.75,173.71 103.05,173.71
GE1_1V05D_PHY on BOTTOM: 101.98,172.69 103,172.69 103.12,172.57 103.12,172.06 103,171.93 101.85,171.93 101.73,172.06 101.73,172.44
GE1_VDDREG on TOP: 109.35,174.7 109.35,173.1 109.45,173 109.45,171.91 110.29,171.07 110.29,170.99 110.57,170.71 110.87,170.71 110.87,171.35 110.08,172.14 110.08,174.57 110.16,174.65 110.16,176.02 110.06,176.12 109.22,176.12 109.12,176.02 109.12,174.68 109.32,174.68
HDMI_7842_5V on TOP: 89.13,175.46 87.99,175.46 85.57,173.05 85.57,172.29 83.67,170.38 83.67,163.93 83.03,163.3 57.86,163.3 55.65,161.09 50.04,161.09 47.04,158.09 47.04,120.04 47.22,119.86 48.21,119.86 48.39,120.04 48.39,151.54 58.37,161.52 84.07,161.52 85.01,162.46 85.01,169.98 86.46,171.42 86.46,172.54 88.49,174.57 89.1,174.57 89.28,174.75 89.28,175.31
HDMI_7842_5V on BOTTOM: 60.17,92.3 51.84,100.63 51.84,110.92 49.23,113.54 49.23,118.49 47.17,120.55 47.17,121.01 47.32,121.16 48.11,121.16 50.27,119 50.27,113.94 53.04,111.18 53.04,101.75 60.22,94.56 106.27,94.56 107.7,95.99 112.65,95.99 113.03,96.37 113.03,99.03 113.28,99.29 113.92,99.29 114.17,99.03 114.17,98.27 114.3,98.15 116.71,98.15 116.71,93.19 115.82,92.3
HDMI_7842_5V on BOTTOM: 88.01,177.27 88.01,173.33 89.41,171.93 95.88,171.93 96.52,172.57 96.52,174.09 95.76,174.09 95.63,173.96 95.63,172.95 95.5,172.82 90.93,172.82 89.53,174.22 89.53,175.59 91.2,177.25 91.2,179.44 91.57,179.81 92.58,179.81 92.96,180.19 92.96,181.08 92.71,181.33 91.69,181.33 91.69,182.09 91.44,182.35 90.55,181.46 90.55,179.81
HDMI_7842_5V on L3-SIG: 110.11,95.1 110.11,99.16 110.62,99.67 113.66,99.67 115.19,98.15 115.19,95.61 114.55,94.97 110.24,94.97
LT9721_VCC18_TX on TOP (solid shape): 188.85,155.3 188.85,151.99 188.34,151.49 187.07,151.49 186.82,151.74 186.82,152.63 187.2,153.01 187.2,155.3 187.33,155.42 188.72,155.42
LT9721_VDD18 on TOP: 176.91,153.39 176.78,153.52 176.78,154.41 176.91,154.53 176.91,157.84 177.04,157.96 178.05,157.96 178.18,157.84 178.18,153.52 178.05,153.39
LT9721_VDD18 on BOTTOM: 176.1,157.07 175.26,157.91 175.26,159.23 175.39,159.36 176.28,159.36 176.4,159.23 176.4,158.22 176.57,158.05 178.14,158.05 178.26,157.94 178.26,157.3 178.03,157.07
VAVDD_1.8VA on TOP: 154.91,161.01 155.85,161.01 155.91,160.96 155.91,159.51 155.75,159.36 154.91,159.36 154.81,159.46 154.81,160.91
VAVDD_1.8VA on L3-SIG: 153.8,159.94 153.8,156.82 151.23,154.25 147.9,154.25 147.17,153.52 147.17,144.22 147.32,144.07 149.22,144.07 149.86,144.7 149.86,151.54 150.37,152.04 151.08,152.04 155.9,157.22 155.9,159.94
VCVDD_1.8VA on TOP: 153.31,161.01 154.31,161.01 154.38,160.93 154.38,159.49 154.31,159.41 153.24,159.41 153.16,159.49 153.16,160.86
VCVDD_1.8VA on BOTTOM: 148.03,155.93 152.48,155.93 153.34,156.79 153.34,159.18 153.21,159.31 153.21,159.99 153.39,160.17 155.83,160.17 156.06,159.94 156.06,157.18 153.87,154.99 148.64,154.99 148.36,154.71 148.36,152.73 148.11,152.48 147.6,152.48 147.42,152.65 147.42,155.32
VDVDD_1.8VA on TOP: 151.84,161.01 152.78,161.01 152.88,160.91 152.88,159.51 152.76,159.38 151.84,159.38 151.66,159.56 151.66,160.83
VDVDD_1.8VA on L3-SIG: 153.49,160.02 152.02,160.02 151.71,159.71 151.71,158.06 150.54,156.89 143.03,156.89 142.16,156.03 142.16,147.14 142.34,146.96 145.47,146.96 146.71,148.21 146.71,153.42 147.85,154.56 151.18,154.56 153.49,156.87
VDVDDIO_3.3VA on TOP: 137.57,160.81 138.53,160.81 138.61,160.73 138.61,159.33 138.48,159.21 137.57,159.21 137.44,159.33 137.44,160.68
VDVDDIO_3.3VA on L3-SIG: 141.81,146.89 139.02,146.89 138.48,147.42 138.48,156.39 137.51,157.35 137.51,160.02 137.69,160.2 138.33,160.2 138.56,159.97 138.56,159.59 141.86,156.29 141.86,146.94
VPVDD_1.8VA on TOP: 156.46,161.01 157.38,161.01 157.48,160.91 157.48,159.51 157.33,159.36 156.44,159.36 156.34,159.46 156.34,160.88
VPVDD_1.8VA on L3-SIG: 157.38,160.04 156.51,160.04 156.18,159.71 156.18,157.07 152.58,153.47 152.58,153.11 153.13,152.55 153.77,152.55 157.43,156.21 157.43,159.99
VSRAM_3.3V on TOP: 136.07,160.81 137.01,160.81 137.11,160.71 137.11,159.36 136.98,159.23 136.04,159.23 135.92,159.36 135.92,160.66
VSRAM_3.3V on L3-SIG: 137.16,160.04 137.16,157.33 138.2,156.28 138.2,147.19 138.18,147.17 138.66,146.68 146.46,146.68 146.48,146.71 146.84,146.35 146.84,144.17 146.63,143.97 136.35,143.97 135.28,145.03 135.28,159.46 136.02,160.2 137.01,160.2
VTVDD_3.3VA on TOP: 139.01,160.73 139.01,159.36 139.17,159.21 140.31,159.21 141.12,158.39 141.38,158.39 141.99,159 141.99,160.12 141.91,160.2 141.6,160.2 141.58,160.17 140.39,160.17 140.08,160.48 140.08,160.71 140,160.78 139.06,160.78
VTVDD_3.3VA on L3-SIG: 151.56,158.11 150.77,157.33 141.2,157.35 139.01,159.54 139.01,159.84 139.37,160.2 141.27,160.2 143,158.47 150.19,158.47 150.77,159.05 151.23,159.05 151.56,158.73
N72707 on BOTTOM (solid shape): 85.6,165.94 85.6,163.17 85.23,162.81 81.67,162.81 79.84,164.63 79.84,169 82.54,169
N72727 on BOTTOM (solid shape): 72.07,165.96 72.07,162.96 71.72,162.6 69.13,162.6 68.04,163.69 68.04,168.72 68.06,168.75 68.06,169.21 68.82,169.21
N78704 on BOTTOM (solid shape): 19.3,120.55 19.3,116.87 16.64,116.87 15.24,118.26 13.97,118.26 13.84,118.39 13.84,119.28 13.97,119.41 14.99,119.41 16.38,120.8 19.05,120.8
N784580 on BOTTOM: 72.39,99.29 72.39,97.38 73.41,96.37 73.41,95.22 73.66,94.97 74.42,94.97 74.8,95.35 74.8,98.4 74.68,98.53 74.04,98.53 73.79,98.78 73.79,99.29 73.66,99.42 72.52,99.42
N1294165 on TOP (solid shape): 136.86,173.81 136.86,171.98 136.73,171.86 136.14,171.86 135.71,171.42 135.69,171.42 135.49,171.31 135.39,171.11 135.39,171.1 134.26,169.97 133.97,169.97 133.91,169.97 133.85,169.95 133.68,169.95 133.65,169.98 133.65,171.98 135.61,173.94 136.73,173.94
N1300447 on TOP (solid shape): 107.52,173.15 107.52,172.57 107.89,172.19 107.86,172.16 107.86,171.67 108.33,171.57 108.34,171.58 108.51,171.58 109.4,170.68 109.4,170.08 109.4,170.08 107.39,170.08 105.44,172.03 105.44,173.15 105.56,173.28 107.39,173.28
N17942185 on BOTTOM (solid shape): 58.8,172.42 58.8,170.21 56.26,167.67 51.44,167.67 51.1,168.01 51.1,169.9 51.13,169.93 51.49,169.93 51.52,169.87 51.51,169.85 51.51,168.61 51.57,168.55 51.57,168.41 51.7,168.41 51.74,168.38 52.68,168.38 53.41,169.12 53.41,172.42 53.64,172.65 58.57,172.65
N17955762 on BOTTOM: 185.55,111.73 184.91,112.37 184.91,116.05 185.29,116.43 191.9,116.43 192.53,115.8 192.53,112.88 191.39,111.73
N17955762 on GND02: 187.43,106.65 187.43,115.39 187.99,115.95 192.3,115.95 193.07,115.19 193.07,104.62 193.01,104.57 189.51,104.57
N17955762 on GND02: 15.62,11.68 15.62,16.74 15.75,16.87 18.92,16.87 21.46,19.41 21.46,86.44 33.86,98.83 44.58,98.83 46.3,100.56 66.67,100.56 69.09,98.15 91.06,98.15 93.07,100.15 105.61,100.15 108.76,97 134.11,97 135.76,98.65 142.88,98.65 145.52,101.3 172.82,101.3 177.5,105.97 186.28,105.97 187.43,107.11 191.41,107.11 193.8,104.72 193.8,101.22 192.48,99.9 181.97,99.9 175.56,93.5 59.03,93.5 54.94,89.41 34.19,89.41 31.39,86.61 31.39,13.77 29.31,11.68 ; 3 cut-outs
N17955776 on BOTTOM: 185.55,124.69 193.04,124.69 193.17,124.56 193.17,118.34 192.66,117.83 185.29,117.83 184.66,118.47 184.66,123.8
N18122516 on TOP (solid shape): 38.35,124.56 37.97,124.18 37.97,123.55 37.85,123.42 36.32,123.42 36.3,123.39 35.28,123.39 34.95,123.06 34.95,122.89 34.87,122.81 33.93,122.81 33.86,122.89 33.86,124.46 34.21,124.82 36.96,124.82 37.08,124.69 37.85,124.69 38.02,124.87 38.02,126.42 38.05,126.44 38.35,126.44
N18122516 on BOTTOM: 35.71,120.42 34.67,121.46 34.67,133.71 35.86,134.9 46.25,134.9 46.33,134.82 46.33,133.45 46.13,133.25 36.88,133.25 36.07,132.44 36.07,127.1 37.95,125.22 42.39,125.22 43.15,124.46 43.15,123.7 41.73,122.28 41.73,120.98 41.17,120.42
N18220213 on BOTTOM: 165.99,150.98 165.99,153.52 165.23,154.28 162.31,154.28 161.8,154.79 161.8,157.58 167.77,157.58 168.4,156.95 168.4,154.41 166.5,152.5 166.5,150.98 166.37,150.85 166.12,150.85
N18946476 on BOTTOM: 88.27,94.97 88.01,95.22 88.01,96.37 87,97.38 86.23,97.38 86.11,97.51 86.11,99.16 86.36,99.42 87.63,99.42 87.76,99.29 87.76,98.27 87.88,98.15 89.03,98.15 89.41,97.76 89.41,95.35 89.03,94.97
N18946522 on BOTTOM: 79.5,99.16 79.5,97.64 80.77,96.37 80.77,95.22 81.03,94.97 81.79,94.97 82.17,95.35 82.17,98.4 82.04,98.53 81.15,98.53 81.03,98.65 81.03,99.29 80.9,99.42 79.76,99.42
N18946577 on BOTTOM: 58.17,101.57 58.17,97.76 59.69,96.24 60.96,96.24 61.21,96.49 61.21,100.18 60.58,100.81 59.94,100.81 59.56,101.19 59.56,101.7 58.29,101.7
N18950285 on BOTTOM: 103.63,95.1 103.25,95.48 103.25,100.18 102.62,100.81 102.62,102.34 103.38,102.34 104.01,102.97 105.16,102.97 105.16,101.19 106.17,100.18 106.17,95.61 105.66,95.1
N18978665 on BOTTOM (solid shape): 19.3,136.5 19.3,132.82 16.64,132.82 15.24,134.21 13.97,134.21 13.84,134.34 13.84,135.23 13.97,135.36 14.99,135.36 16.38,136.75 19.05,136.75
N18979927 on BOTTOM (solid shape): 19.24,103.48 19.24,99.8 16.57,99.8 15.17,101.19 13.9,101.19 13.77,101.32 13.77,102.21 13.9,102.34 14.92,102.34 16.31,103.73 18.98,103.73
N19120126 on TOP (solid shape): 38.35,103.68 37.97,103.3 37.97,102.67 37.82,102.51 35.23,102.51 34.67,101.96 33.88,101.96 33.81,102.03 33.81,103.28 34.26,103.73 37.59,103.73 37.67,103.81 37.85,103.81 38.02,103.99 38.02,105.54 38.05,105.56 38.35,105.56
N19120126 on BOTTOM: 39.73,113.36 46.2,113.36 46.3,113.26 46.3,112.73 46.2,112.62 43.89,112.62 43.71,112.45 43.71,102.79 41.12,100.2 39.12,100.2 36.55,102.77 35.46,102.77 35.1,103.12 35.1,104.04 35.66,104.6 41.17,104.6 42.01,105.44 42.01,110.11 39.62,112.5 39.62,113.26

Small or netless copper shapes (teardrops, artwork), in the pictures only: 1 on BOTTOM

## Text on the board
Ref Des/Silkscreen Bottom: A | 12V | GND | RX | TX | GND GND | J108
User.Comments: CR_RTL8211E_3536_2 | CR_UNNAMED1_3 | CR_UNNAMED00_1 | CR_ADV7842_1
Ref Des/Silkscreen Top: MSATA | RXD | GND | TXD | LAN1 | R G B | ZDRK-36-DE3-A02-20190729 | RK-3A1_V1.0.0_2019730r
DIMENSION: Surface Finished | Compare With IPC File: | Desighed: | Code:1067372 | Silkscreen Color: | Soldermask Color: | Dielectric Material: | Tg: | Board Name: | [XwX] | ZDRK-36-DE3-A01 | Haitu-Tech,Changzhou | Layers: | HASL(Sn/Pb) | White | Green | OSP | FR-4 | Default | Golden Finger,Others HASL(Pb-Free) | Golden Finger,Others HASL(Sn/Pb) | Yes | 4 | ImAg | Yellow | Other | No | HASL(Pb-Free) | Blue | Hi-Tg | 170 | C | Board Thickness: | Panel Mode: | ImSn | Immersion Gold(ENIG) | Red | Black | Golden Finger,Others ENIG | Golden Finger,Others OSP | 180 | 2x1 | 1.6 | mm+/-10% | Single Impedance | Diff Impedance | 90 ohm | 100 ohm | 50 ohm | 1,4 | Layer | Trace Width(mil) | Trace W/S(mil) | 4.5/6 | 4.4/4.6 | 5 | Tolerance | + | - | 10% | Frequncy(MHZ) | Remark | HI3516A-CORE BETA CHAT
DISPLAY_BOTTOM: HI3536DMEB  VER.A PASTEMASK BOTTOM
DISPLAY_TOP: HI3536DMEB  VER.A PASTEMASK TOP
DEVICE_TYPE_TOP: F
User.13: FIGURE | SIZE | 8.0 | 10.0 | 20.0 | 29.0 | 33.46 | 35.43 | 36.0 | 37.0 | 39.37 | 40.0 | 43.31 | 47.24 | 60.0 | 66.93 | 70.87 | 80.0 | 102.36 | 118.11 | 130.0 | 141.73 | 150.0 | 44.0 | 48.0 | 59.06 | 63.0 | 127.95 | 59.06x19.69 | 62.99x23.62 | 67.0x28.0 | 78.74x47.24 | 107.0x28.0 | DRILL CHART: TOP to BOTTOM | ALL UNITS ARE IN MILS | PLATED | NON-PLATED | QTY | 1484 | 1596 | 21 | 7 | 94 | 10 | 4 | 12 | 18 | 2 | 6 | 1
